# Altium PCB DATN.PcbDoc (continued)
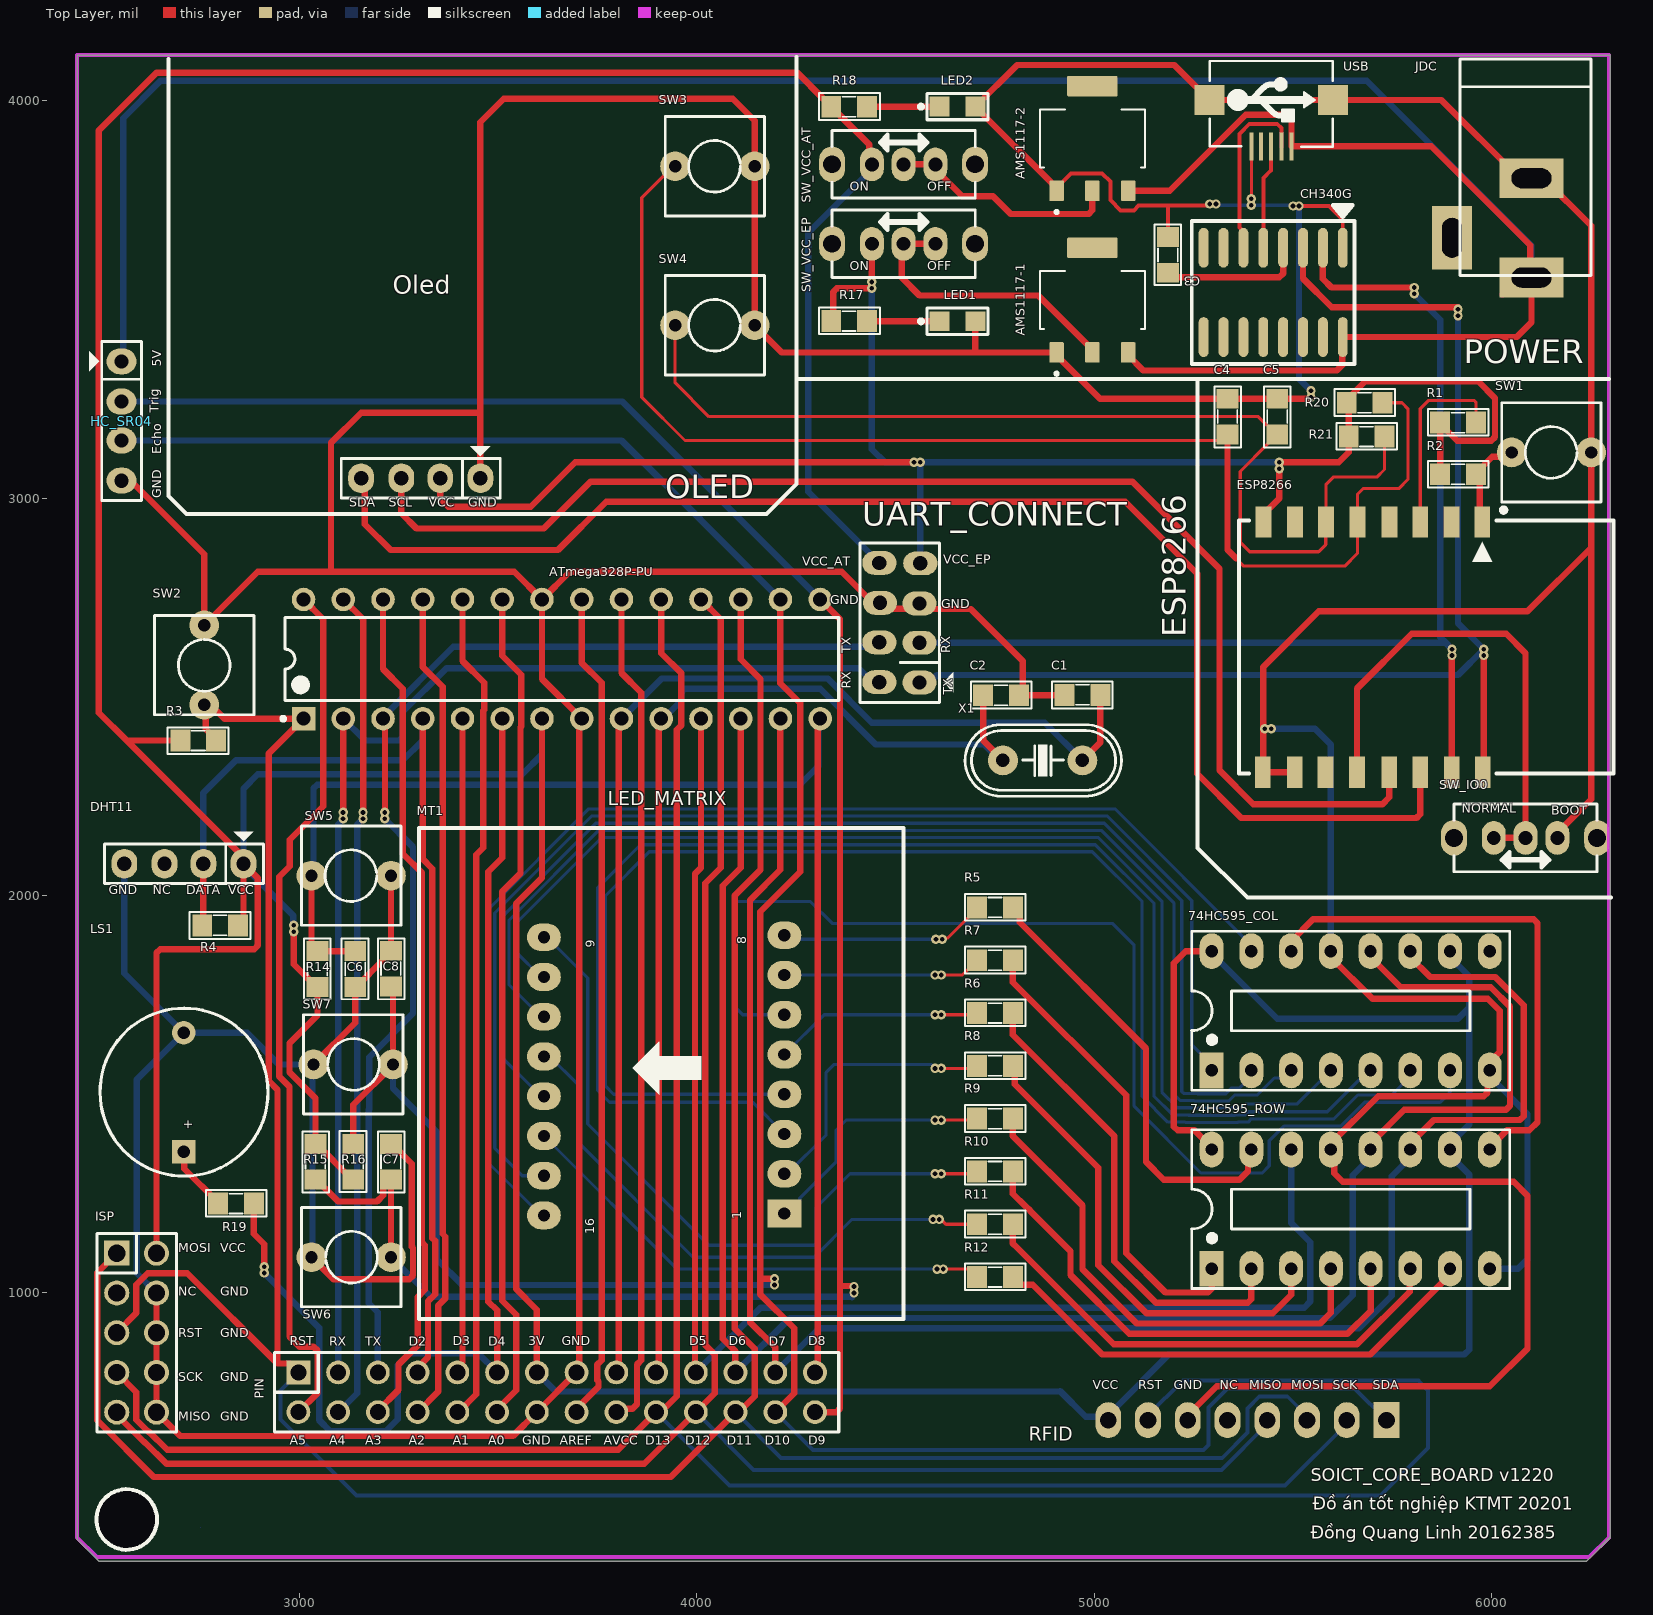
[diagram p0: Top Layer view]
## Part data
74HC595_COL 74HC595_ROW: library part 74595, "8 Bit Serial input - Parallel Output"
AMS1117-1 AMS1117-2: library part AMS1117, "UNO PLUS Arduino R3 Shield, Xbee Arduino IDE Wheeled Robotics Kit", Package="SOT-223 Seeed Technology", Availability=Unavailable, MF="Seeed Technology", MP=AMS1117, Price=None, SnapEDA_Link=https://www.snapeda.com/parts/AMS1117/Seeed%20Technology%20Co.%2C%20Ltd/view-part/184428/?ref=snap
ATmega328P-PU: library part ATmega328P-PU, "8-bit AVR Microcontroller, 32KB Flash, 1KB EEPROM, 2KB SRAM, 28-pin PDIP, Industrial Grade (-40°C to 85°C)", Supplier Part Number 1=ATMEGA328P-PU-ND, ComponentLink1Description="Manufacturer Link", ComponentLink1URL=http://www.atmel.com/products/avr/default.asp?, ComponentLink2Description="ATmega48A/48PA/88A/88PA/168A/168PA/328/328P Datasheet", ComponentLink2URL=http://www.atmel.com/dyn/resources/prod_documents/8271.pdf, ComponentLink3Description="ATmega48A/48PA/88A/88PA/168A/168PA/328/328P Summary", ComponentLink3URL=http://www.atmel.com/dyn/resources/prod_documents/8271S.pdf, ComponentLink4Description="Atmel.com Home", ComponentLink4URL=http://www.atmel.com, DatasheetVersion="revA, Jan-2010", PackageDescription="28-lead (0.300\"/7.62mm Wide) Plastic Dual Inline Package (PDIP)", PackageReference=28P3, PackageVersion="revB, Sep-2001", Published=1-Apr-2010, Publisher="Altium Limited", Supplier 1=Digi-Key, Supplier 2=Farnell, Supplier 3=Mouser, Supplier Part Number 2=1715487, Supplier Part Number 3=556-ATMEGA328P-PU
C1 C2 C3 C4 C5 C6 C7 C8: library part CM, "Cap SMD"
CH340G: "High and Low Side Driver", ComponentLink1Description="Manufacturer Link", ComponentLink1URL=http://www.irf.com/, ComponentLink2Description=Datasheet, ComponentLink2URL=http://www.irf.com/product-info/datasheets/data/ir2110.pdf, DatasheetVersion=PD60147J, LatestRevisionDate=04-Mar-2005, LatestRevisionNote="Stylized 3D Model Added.", Note="Pins 4, 8 and 14 are not connected", PackageDescription="DIP; 14 Leads; Row Spacing 7.62 mm; Pitch 2.54 mm", PackageReference=PDIP14, Published=8-Jun-2000, Publisher="Altium Limited"
DHT11 HC_SR04 Oled: "WR-PHD 2.54 mm Angled Socket Header", Manufacturer="W¨¹rth Elektronik eiSos GmbH", partNo=613004143121, ComponentLink1 Description=Manufacturer, ComponentLink1URL=http://www.we-online.com, ComponentLink2 Description=Datasheet, ComponentLink2URL=http://katalog.we-online.de/em/datasheet/6130xx143121.pdf, Created by="Karrer Zheng", Created Date="29 March 2013", NoPins=04
ISP: library part JP5x2, "WR-PHD 2.54 mm Dual Socket Header", Manufacturer="W¨¹rth Elektronik eiSos GmbH", partNo=61301021821, ComponentLink1 Description=Manufacturer, ComponentLink1URL=http://www.we-online.com, ComponentLink2 Description=Datasheet, ComponentLink2URL=http://katalog.we-online.de/em/datasheet/6130xx21821.pdf, Created by="Karrer Zheng", Created Date="29 March 2013", NoPins=10
JDC: library part DCIN, "Jac DC input"
LED1 LED2: library part LED0805, "LED SMD 0805"
LS1: "Loudspeaker", LatestRevisionDate=17-Jul-2002, LatestRevisionNote="Re-released for DXP Platform.", PackageReference=PIN2, Published=24-Mar-1999, Publisher="Altium Limited"
MT1: library part "LED 8x8S", "Matrix 8x8,  Single colour"
PIN: "WR-PHD 2.54 mm Dual Socket Header", Manufacturer="W¨¹rth Elektronik eiSos GmbH", partNo=61302821821, ComponentLink1 Description=Manufacturer, ComponentLink1URL=http://www.we-online.com, ComponentLink2 Description=Datasheet, ComponentLink2URL=http://katalog.we-online.de/em/datasheet/6130xx21821.pdf, Created by="Karrer Zheng", Created Date="29 March 2013", NoPins=28
R1 R2 R3 R4 R5 R6 R7 R8 R9 R10 R11 R12 R14 R15 R16 R17 R18 R19 R20 R21: library part RM, "Resistor SMD"
RFID: library part JP8
SW1 SW2 SW3 SW4 SW5 SW6 SW7: library part SW2, "Switch button 2 pin"
SW_IO0 SW_VCC_AT SW_VCC_EP: "Switch 102 on Broad"
UART_CONNECT: library part JP4x2
USB: Manufacturer=FCI, Manufacturer Part Number=10118193-0001LF, Supplier Part Number 1=609-4616-1-ND, .Checked PCB=RF, .Checked SCH=MM, .Creator=MM, Category="Connectors, Interconnects", ComponentLink1Description=http://portal.fciconnect.com/Comergent//fci/drawing/10118193.pdf, ComponentLink1URL=http://portal.fciconnect.com/Comergent//fci/drawing/10118193.pdf, Connector Type="USB - micro B", Features="Shielded, Solder Retention", Gender=Receptacle, Ingress Protection=-, Mounting Type="Surface Mount, Right Angle, Horizontal", Number of Contacts=5, Packaging="Cut Tape (CT)", Pricing 1="1=0.46, 10=0.433, 25=0.3712, 50=0.3156, 100=0.3032, 250=0.27224, 500=0.25988 (USD)", RoHS="RoHS Compliant", Specifications="USB 2.0", Stock 1=28642, Supplier 1=Digi-Key
X1: library part XT2, "Crystal For all Crystal 2pin."

## Via types
v1: diameter 23.62/20 (per signal layer), hole 11.81, Top Layer to Bottom Layer, tented both sides, 54 vias

## Nets (pads, with @x,y where several pads share a name; then routed paths per layer and width w, separated by ;. In a path a pad name is that pad's centre, name@x,y a point inside that pad or via, vN(x,y) a via of type N, cw(c..) or ccw(c..) an arc to the next point about the centre after c; other vN are vias at no path point)
A0: ATmega328P-PU.23 PIN.23 | length 2118.8
  Top Layer w16: PIN.23 3497,707 3545,755 3545,945 3510,980 3510,2010 3556.11,2056.11 3556.11,2423.89 3557.53,2425.31 3557.53,2555.57 3510,2603.1 ATmega328P-PU.23
A1: ATmega328P-PU.24 PIN.24 | length 2097.7
  Top Layer w16: PIN.24 3400,700 3445,745 3445,2102.84 3462.47,2120.31 3462.47,2464.69 3465,2467.21 3465,2535 3410,2590 ATmega328P-PU.24
A2: ATmega328P-PU.25 PIN.25 | length 2097.6
  Top Layer w16: PIN.25 3349.08,752.08 3349.08,968.26 3367,986.17 3367,1141.8 3360,1148.8 3360,2525 3310,2575 ATmega328P-PU.25
A3: ATmega328P-PU.26 PIN.26 | length 2137.4
  Top Layer w16: PIN.26 3197,703.84 3249.08,755.92 3249.08,819.85 3297.08,867.85 3297.08,989.8 3315,1007.71 3315,1120.26 3308,1127.26 3308,2056.99 3260,2104.99 3260,2520 3210,2570 ATmega328P-PU.26
A4: ATmega328P-PU.27 PIN.27 | length 2074.8
  Top Layer w16: ATmega328P-PU.27 3160,2695 v1@3160,2210
  Bottom Layer w16: PIN.27 3144.93,747.92 3144.93,1468.65 3145,1468.72 3145,2178.67 v1(3159.49,2193.17)
  other v1: 3159.49,2209.17
A5: ATmega328P-PU.28 PIN.28 | length 2192.3
  Top Layer w16: PIN.28 3045,748 3045,855 3035,865 3000,865 2974.5,890.5 2974.5,1518.49 2948.5,1544.49 2948.5,2046.99 2975,2073.49 2975,2140 3060,2225 3060,2695 ATmega328P-PU.28
AREF: ATmega328P-PU.21 PIN.21 | length 2094.3
  Top Layer w16: PIN.21 3697,708.84 3752.07,763.91 3752.07,777.16 3749.08,780.15 3749.08,819.85 3760,830.77 3760,2535 3710,2585 ATmega328P-PU.21
AT_MISO: ATmega328P-PU.18 ISP.5 PIN.18 RFID.4 | length 5236
  Top Layer w16: ISP.5 2540,693.23 2608.73,624.5 2610.5,624.5 2665,570 3867,570 PIN.18 4045,748 4045,845 4021,869 4021,2031 4060,2070 4060,2695 ATmega328P-PU.18
  Bottom Layer w10: PIN.18 4142,555 5320,555 5435,670 RFID.4
AT_MOSI: ATmega328P-PU.17 ISP.1 PIN.17 RFID.3 | length 5928.7
  Top Layer w16: ISP.1 2490.5,1050.5 2490.5,679.5 2633,537 3934,537 PIN.17 4105,700 4145,740 4145,860 4095,910 4095,2000 4160,2065 4160,2544.17 4110,2594.17 ATmega328P-PU.17
  Bottom Layer w10: PIN.17 4212,585 5321.72,585 5385,648.28 5385,709.68 5415.32,740 5485.33,740 5535,690.33 RFID.3
AT_RST: ATmega328P-PU.1 ISP.3 PIN.1 R3.2 RFID.7 SW2.1 | length 6760.9
  Top Layer w16: ISP.3 2589.5,949.5 2589.5,1020.63 2618.36,1049.5 2717.51,1049.5 2944.5,822.5 ; R3.2 2790,2392.5 2764,2418.5 2764,2476 SW2.1 2775.97,2480 2810.97,2445 ATmega328P-PU.1 2922.5,2357.5 2922.5,1533.72 2944.5,1511.72 2944.5,822.5 ; PIN.1@2996.28,800.72 2975.08,821.92 2974.5,822.5 2944.5,822.5
  Bottom Layer w10: PIN.1 2952.08,755.08 2952.08,681.39 3143.48,490 5720,490 5840,610 5840,755 5815,780 5222.5,780 5135,692.5 RFID.7
AT_RXD: ATmega328P-PU.2 PIN.2 UART_CONNECT.5 | length 3150.2
  Top Layer w16: PIN.2 PIN.2@3103.5,806.5 ; ATmega328P-PU.2@3103.5,2438.5 ATmega328P-PU.2 v1@3110,2210
  Bottom Layer w16: PIN.2 3097,2179.59 3109.49,2192.08 v1(3109.49,2193.17) ; ATmega328P-PU.2 3165,2390 3250.63,2390 3260,2399.37 3260,2462.21 3369.79,2572 4407,2572 4442,2537 UART_CONNECT.5
  other v1: 3109.49,2209.17
AT_SCK: ATmega328P-PU.19 ISP.4 PIN.19 RFID.2 | length 5505.7
  Top Layer w16: ISP.4 2589.5,750.5 2589.5,680.51 2619.5,650.5 2621.27,650.5 2666.77,605 3802,605 PIN.19 3908.87,700 3949.08,740.22 3949.08,2416.87 3960,2427.79 3960,2560 3910,2610 ATmega328P-PU.19
  Bottom Layer w10: PIN.19 4082,515 5480,515 RFID.2@5635,670
  Bottom Layer w16: RFID.2@5635,670 RFID.2
AT_TXD: ATmega328P-PU.3 PIN.3 UART_CONNECT.6 | length 3044.1
  Top Layer w16: PIN.3 PIN.3@3197,811.86 ; ATmega328P-PU.3 3215,2440 v1@3215,2210
  Bottom Layer w16: PIN.3 3197,951.17 3174.5,973.68 3174.5,1461.45 3175,1461.95 3175,1593.49 3285.5,1703.99 3285.5,2122.16 v1(3214.49,2193.17) ; ATmega328P-PU.3 3210,2448.98 3387.02,2626 UART_CONNECT.6@4450,2626
  other v1: 3214.49,2209.17
AVCC: ATmega328P-PU.20 PIN.20 | length 2110.7
  Top Layer w16: PIN.20 3805.39,708.39 3837.62,708.39 3849.08,719.85 3849.08,819.85 3860,830.77 3860,2510 3810,2560 ATmega328P-PU.20
CL1: 74HC595_COL.15 MT1.16 | length 3016.2
  Bottom Layer w8: MT1.16 3607.5,1195 3473,1329.5 3473,1963.46 3727.54,2218 5052,2218 5395,1875 74HC595_COL.15
CL2: 74HC595_COL.1 MT1.15 | length 3135.5
  Bottom Layer w8: MT1.15 3560.5,1295 3491,1364.5 3491,1956 3735,2200 5032.28,2200 5245,1987.28 5245,1625 5295,1575 74HC595_COL.1
CL3: 74HC595_COL.2 MT1.13 | length 3079.4
  Bottom Layer w8: MT1.13 3607.5,1495 3509,1593.5 3509,1945.68 3745.32,2182 5024.82,2182 5220,1986.82 5220,1506.69 5224.69,1502 5258.2,1502 5259.2,1501 5330.8,1501 5345.8,1516 5366,1516 5395,1545 74HC595_COL.2
CL4: 74HC595_COL.3 MT1.11 | length 2941.1
  Bottom Layer w8: MT1.11 3607.5,1695 3527,1775.5 3527,1938.23 3752.77,2164 5017.37,2164 5200,1981.37 5200,1500.7 5216.7,1484 5250.75,1484 5251.75,1483 5338.25,1483 5353.25,1498 5410.23,1498 5453,1540.77 5475.77,1540.77 74HC595_COL.3
CL5: 74HC595_COL.4 MT1.10 | length 2911.9
  Bottom Layer w8: MT1.10 3607.5,1795 3545,1857.5 3545,1930.77 3760.23,2146 5009.91,2146 5170,1985.91 5170,1505.24 5209.24,1466 5243.29,1466 5244.29,1465 5345.71,1465 5346.71,1466 5372.16,1466 5381.94,1475.78 5510.78,1475.78 5565.8,1530.8 5566.73,1530.8 5595,1559.07 74HC595_COL.4
CL6: 74HC595_COL.5 MT1.3 | length 3629.1
  Bottom Layer w8: MT1.3 4140,1480 3780,1480 3750,1510 3750,2020 3858,2128 5002.46,2128 5150,1980.46 5150,1495 5197,1448 5235.83,1448 5236.83,1447 5353.17,1447 5354.17,1448 5379.61,1448 5387.5,1455.89 5585.89,1455.89 5665.05,1535.05 5670.98,1535.05 5695,1559.07 74HC595_COL.5
CL7: 74HC595_COL.6 MT1.4 | length 3641
  Bottom Layer w8: MT1.4 3790,1500 3770,1520 3770,2000 3880,2110 4995,2110 5120,1985 5120,1495 5185,1430 5228.38,1430 5229.38,1429 5360.62,1429 5361.62,1430 5387.07,1430 5394.95,1437.89 5602.89,1437.89 5663,1498 5748,1498 5795,1545 74HC595_COL.6
CL8: 74HC595_COL.7 MT1.6 | length 2892
  Bottom Layer w8: MT1.6 4115,1700 4095,1720 4095,1980.31 4099.69,1985 4285,1985 4340,1930 4415,1930 5045,1930 5100,1875 5100,1470 5268.11,1301.89 5422.2,1301.89 5440,1319.69 5440,1383.11 5476.77,1419.89 5619.89,1419.89 5680,1480 5870,1480 5895,1505 74HC595_COL.7
D2: ATmega328P-PU.4 DHT11.2 PIN.4 R4.1 | length 2672
  Top Layer w16: R4.1 2758,1928 DHT11.2 ; PIN.4 3297,811.86 3323.08,837.94 3323.08,979.03 3341,996.94 3341,1131.03 3334,1138.03 3334,2067.76 3310,2091.76 ATmega328P-PU.4
  Bottom Layer w16: DHT11.2 2758,2258 2840,2340 3260,2340 3310,2390 ATmega328P-PU.4
D3: ATmega328P-PU.5 PIN.5 | length 1650.4
  Top Layer w16: PIN.5 3397,811.86 3410,824.86 ATmega328P-PU.5
D4: ATmega328P-PU.6 PIN.6 R19.1 | length 2905.3
  Top Layer w16: R19.1 2885,1148.83 2911.08,1122.75 v1(2911.08,1066.08) ; PIN.6 3497,956.23 3475,978.23 3475,2060 3510,2095 ATmega328P-PU.6
  Bottom Layer w16: v1(2911.08,1050.08) 3049.08,912.08 3049.08,680.15 3077.15,652.08 3216.85,652.08 3247,682.23 3247,817.77 3277.15,847.92 3449.08,847.92 PIN.6
D5: 74HC595_ROW.14 ATmega328P-PU.11 PIN.11 | length 3686.7
  Top Layer w16: PIN.11 3995,802 3995,2055 4010,2070 ATmega328P-PU.11
  Bottom Layer w16: PIN.11@4005.39,791.61 PIN.11 4160,963 5528,963 5543.37,978.37 5543.37,1127.78 5495,1176.15 74HC595_ROW.14
D6: 74HC595_COL.12 74HC595_ROW.12 ATmega328P-PU.12 PIN.12 | length 4770
  Top Layer w16: PIN.12 4096.08,800.93 4096.08,853.92 4065,885 4065,2025 4110,2070 ATmega328P-PU.12 ; 74HC595_ROW.12 5695,1375.89 5780.11,1461 6035.63,1461 6046,1471.37 6046,1720.77 5997.77,1769 5771,1769 5695,1845 74HC595_COL.12
  Bottom Layer w16: PIN.12 4234,937 5592.63,937 5650,994.37 5650,1295.93 5699.96,1345.89 74HC595_ROW.12@5699.96,1360.89
D7: 74HC595_COL.11 74HC595_ROW.11 ATmega328P-PU.13 PIN.13 | length 4681.2
  Top Layer w16: PIN.13 4197,863 4133.5,926.5 4133.5,1988.5 4210,2065 ATmega328P-PU.13 ; 74HC595_ROW.11 5795,1375.89 5854.11,1435 6070.63,1435 6080,1444.37 6080,1723.54 6008.54,1795 5845,1795 5795,1845 74HC595_COL.11
  Bottom Layer w16: PIN.13 4308,911 5666,911 5747.96,992.96 5747.96,1293.89 5799.96,1345.89 74HC595_ROW.11@5799.96,1360.89
D8: ATmega328P-PU.14 C6.1 PIN.14 R14.1 SW5.1 | length 3571.8
  Top Layer w16: SW5.1 3030,1875 R14.1 C6.1 ; PIN.14 4303.5,806.5 4303.5,2438.5 ATmega328P-PU.14
  Bottom Layer w16: SW5.1@3030,2056.5 3035,2061.5 3035,2269.63 3044.37,2279 4259,2279 4305,2325 4305,2440 ATmega328P-PU.14
D9: ATmega328P-PU.15 C7.1 HC_SR04.2 PIN.15 R15.1 SW6.1 | length 5773.3
  Top Layer w16: R15.1@3035,1280 R15.1 3042.5,1285 3097.5,1230 3195,1230 3210.5,1245.5 3210.5,1268 3225,1282.5 3230,1282.5 SW6.1 ; PIN.15 4350.63,700 4360,709.37 4360,1020 ; ATmega328P-PU.15 4360,2695 4360,1020 ; v1(4395,1016) 4393.54,1017.46 4362.54,1017.46 4360,1020
  Bottom Layer w16: HC_SR04.2 3812,3243 ATmega328P-PU.15 ; SW6.1 3330,990 4389,990 4390,989
  other v1: 4395,1000
EP_RST: ESP8266.1 R2.1 SW1.1 | length 223.4
  Top Layer w16: ESP8266.1@5970,2955 5970,3050 R2.1 5960,3062.5 6001.21,3103.71 6038.71,3103.71 SW1.1
EP_RXD: CH340G.2 ESP8266.15 UART_CONNECT.2 | length 2868.1
  Top Layer w16: CH340G.2 5575,3551.75 5596.75,3530 v1(5805,3530) ; ESP8266.15 v1@5899.53,2604.53
  Bottom Layer w16: UART_CONNECT.2 5882.92,2636 ; v1(5805,3514) 5870,3449 5870,2650 5883.46,2636.54 v1(5900,2620)
  other v1: 5900,2604
EP_TXD: CH340G.3 ESP8266.16 UART_CONNECT.1 | length 3113.2
  Top Layer w16: CH340G.3 5525,3552.6 5597.6,3480 v1@5915,3480 ; ESP8266.16 5980,2312.52 v1(5980,2604)
  Bottom Layer w16: UART_CONNECT.1 4584.91,2536 4603.91,2555 5915,2555 v1(5980,2620) 5915,2685 v1(5915,3459)
  other v1: 5915,3475
GND: 74HC595_COL.8 74HC595_COL.13 74HC595_ROW.8 74HC595_ROW.13 AMS1117-1.1 AMS1117-2.1 ATmega328P-PU.8 ATmega328P-PU.22 C1.1 C2.1 C3.1 C4.2 C5.2 C6.2 C7.2 C8.2 CH340G.1 DHT11.4 ESP8266.9 ESP8266.10 HC_SR04.4 ISP.6 ISP.7 ISP.8 ISP.9 JDC.2 LED1.2 LED2.2 LS1.2 Oled.1 PIN.8 PIN.22 RFID.6 SW1.2 SW2.2 SW3.2 SW4.2 SW5.2 SW6.2 SW7.2 SW_IO0.3 UART_CONNECT.3 UART_CONNECT.7 USB.5 | length 24909.6
  Top Layer w8: v1@5395,3740 USB.5@5395,3885
  Top Layer w10: AMS1117-2.1@4904.84,3780.79 4941.15,3817.09 5019.15,3817.09 5040.08,3796.17 5040.08,3749.92 5066,3724 5099.55,3724 5111.55,3736 5185,3736 ; C3.1@5185,3670 5185,3736 ; v1@5290,3736 5185,3736 ; v1(5515,3735) 5590,3735 5625,3700 CH340G.1 ; JDC.2 JDC.2@6130,3805
  Top Layer w16: HC_SR04.4@2570,3044 2575,3044 2760,2859 SW2.2 2895,2815 3079,2815 ; ISP.9 ISP.8 ISP.7 ISP.6 2700,640 3537,640 PIN.22 PIN.8 3703.5,806.5 3703.5,2438.5 ATmega328P-PU.8 3610,2545 ATmega328P-PU.22 ; SW6.2 3085.5,1034.5 3276.13,1034.5 3285.5,1043.87 3285.5,1112.99 3282,1116.49 3282,1325.5 3232.5,1375 C7.2 ; SW7.2 3140,1680 C6.2 3142.5,1770 3210.5,1838 3210.5,1844 3227.5,1861 C8.2 ; SW5.2 C8.2 ; C8.2@3232.5,1861 C8.2 ; Oled.1 3455,3215 ; LED1.2 4700.56,3368.18 4699,3366.61 ; AMS1117-2.1 4904.84,3780.79 4894.54,3791.09 4894.47,3791.09 LED2.2 4805.56,4090 5201.33,4090 5289.49,4001.84 5600.51,4001.84 5873.16,4001.84 6070,3805 JDC.2 ; C1.1 4924,2504 C2.1 4820,2514 4820,2590 4689,2721 4570,2721 4569.5,2721.5 4470.5,2721.5 4470,2722 4457,2722 4364,2815 3680,2815 ATmega328P-PU.22 ; RFID.6 5235,692.5 5307.5,765 5995,765 6090,860 6090,1245 6055,1280 5625,1280 5603.42,1301.58 5603.42,1352.47 74HC595_ROW.13 5595,1375.89 5714.11,1495 5980.02,1495 5989.39,1504.37 5989.39,1554.39 74HC595_COL.8 5995,1581.37 6020,1606.37 6020,1710 5990,1740 5700,1740 5595,1845 74HC595_COL.13 ; ESP8266.10 ESP8266.9 5425,2311.06 5425,2420 5425,2575 5565,2715 6090,2715 6250,2875 ; v1@5545,3250 C5.2 C4.2 5013.98,3250 4904.84,3359.13 AMS1117-1.1 4699,3366.61 ; JDC.2@6130,3805 6250,3685 SW1.2 6250,2875 ; SW_IO0.3 6165,2157.5 6250,2242.5 6250,2875 ; 3079,2815 3540,2815 ATmega328P-PU.22 ; 3079,2815 3079,3139 3155,3215 3455,3215 ; 3455,3215 3455,3946 3514,4005 4090,4005 4145,3950 SW3.2 SW4.2 4213.39,3366.61 4699,3366.61
  Bottom Layer w10: v1(5306,3740) 5308.71,3740 5311.71,3737 5495.29,3737 5497.29,3735 v1(5500,3735)
  Bottom Layer w16: DHT11.4 2559,1804.5 LS1.2 ; ISP.9 2590.5,1049.5 2590.5,1537 LS1.2 ; SW6.2 3032.5,1092.5 3032.5,1572.5 SW7.2 2947.95,1575 2867.95,1655 LS1.2 ; v1(5445,2420) 5555,2420 5595,2380 74HC595_COL.13 ; v1(5515,3735) 5515,3300 v1(5545,3270) ; 74HC595_ROW.8 6065.89,1060.89 6090,1085 6090,1450 5995,1545 74HC595_COL.8
  other v1: 5429,2420 5545,3254 5395,3737 5290,3740 5395,3753
IO12: C5.1 ESP8266.6 R21.1 SW4.1 | length 2620.4
  Top Layer w8: SW4.1 3945,3290 4030,3205 5412.5,3205 5457.5,3160 C5.1 ; C5.1@5436.5,3136.5 5367,3067 5367,2889 5391,2865 5564.28,2865 5582.21,2882.93 5582.21,2939.14 ESP8266.6 5582.99,3034.99 5601,3053 5711,3053 5730,3072 R21.1
IO14: C4.1 ESP8266.5 R20.1 SW3.1 | length 3330.3
  Top Layer w8: SW3.1 ccw(c3945,3822.93) 3936.46,3831.46 3861,3756 3861,3254 3970,3145 5320,3145 C4.1 ; 5357,2848 5376,2829 5630,2829 5662.13,2861.13 ESP8266.5 5662.13,3010.13 5676,3024 5766,3024 5789,3047 5789,3225 5774,3240 R20.1
  Top Layer w16: C4.1 5335,2870 5357,2848
NC: ISP.2
Net74HC595_ROW_1: 74HC595_ROW.1 R7.1 | length 1165.6
  Top Layer w16: R7.1 4795,1782.24 5080,1497.24 5080,1100 5179,1001 5285.63,1001 5295,1010.37 74HC595_ROW.1
Net74HC595_ROW_2: 74HC595_ROW.2 R6.1 | length 1198.8
  Top Layer w16: R6.1 4795,1650 5050,1395 5050,1080 5150,980 5155,975 5385.63,975 5395,984.37 74HC595_ROW.2
Net74HC595_ROW_3: 74HC595_ROW.3 R8.1 | length 1210.5
  Top Layer w16: R8.1 4800,1566.43 4800,1525 5010,1315 5010,1070 5131,949 5449,949 5495,995 74HC595_ROW.3
Net74HC595_ROW_4: 74HC595_ROW.4 R9.1 | length 1254.9
  Top Layer w16: R9.1 4795,1395 4970,1220 4970,1060 5107,923 5568,923 5595,950 74HC595_ROW.4
Net74HC595_ROW_5: 74HC595_ROW.5 R10.1 | length 1267.5
  Top Layer w16: R10.1 4795,1250 4826.64,1218.36 4827.46,1218.36 4838,1207.81 4838,1207 4940,1105 4940,1045 5088,897 5637,897 5695,955 74HC595_ROW.5
Net74HC595_ROW_6: 74HC595_ROW.6 R11.1 | length 1264.8
  Top Layer w16: R11.1 4795,1124.37 4804.37,1115 4805,1115 5049,871 5661,871 5793.26,1003.26 5793.26,1059.14 74HC595_ROW.6
Net74HC595_ROW_7: 74HC595_ROW.7 R12.1 | length 1280.4
  Top Layer w16: R12.1 4795,1037.5 4812,1020.5 4844.5,1020.5 5020,845 5694.11,845 5895,1045.89 74HC595_ROW.7
Net74HC595_ROW_15: 74HC595_ROW.15 R5.1 | length 1123.8
  Top Layer w16: R5.1 4812,1953 4812,1933 5130,1615 5130,1330 5175,1285 5365,1285 5386.58,1306.58 5386.58,1352.47 74HC595_ROW.15 74HC595_ROW.15@5395,1363.98
NetAMS1117-1_2: AMS1117-1.2 SW_VCC_EP.1 SW_VCC_EP.2 | length 727.4
  Top Layer w16: SW_VCC_EP.2@4515,3640 4515,3555 4560,3510 4859.09,3510 4995,3374.09 AMS1117-1.2 ; SW_VCC_EP.2 SW_VCC_EP.1
NetAMS1117-2_2: AMS1117-2.2 SW_VCC_AT.1 SW_VCC_AT.2 | length 586.9
  Top Layer w16: SW_VCC_AT.2 SW_VCC_AT.1 4600,3827.5 4667.5,3760 4745,3760 4790,3715 4985.63,3715 4995,3724.37 AMS1117-2.2
NetC3_2: C3.2 CH340G.4 | length 363.1
  Top Layer w16: C3.2 5196,3556 5465.63,3556 5475,3565.37 CH340G.4
NetCH340G_5: CH340G.5 USB.3 | length 270.9
  Top Layer w10: CH340G.5@5425,3622.36 5425,3805 5445,3825 USB.3
NetCH340G_6: CH340G.6 USB.2 | length 457.4
  Top Layer w10: CH340G.6 5375,3670.86 5365,3680.86 5365,3916.21 5390.79,3942 5460,3942 5470.59,3931.41 USB.2
NetESP8266_3: ESP8266.3 R1.1 | length 487
  Top Layer w8: ESP8266.3 5820,3225 5841,3246 5955.31,3246 5960,3241.31 R1.1
NetESP8266_12: ESP8266.12 SW_IO0.1 SW_IO0.2 | length 1318.8
  Top Layer w8: ESP8266.12 5660.94,2290.32 ESP8266.12@5676.63,2274.63 ; SW_IO0.1 SW_IO0.1@6005,2165
  Top Layer w16: ESP8266.12 5660.94,2520.94 5798.37,2658.37 6036.63,2658.37 6085,2610 SW_IO0.2 SW_IO0.1
NetLED1_1: LED1.1 R17.1 | length 182.7
  Top Layer w16: R17.1 4610.13,3445.44 LED1.1
NetLED2_1: LED2.1 R18.1 | length 182.6
  Top Layer w16: R18.1 LED2.1
NetLS1_1: LS1.1 R19.2 | length 165.6
  Top Layer w16: LS1.1 2710,1354 2710,1312.5 2795,1227.5 R19.2
Q9: 74HC595_COL.14 74HC595_ROW.9 | length 1338.9
  Top Layer w16: 74HC595_COL.14 5495,1885 5550,1940 6105.63,1940 6115,1930.63 6115,1429.69 6094.31,1409 6038.25,1409 5995,1365.75 74HC595_ROW.9
  Bottom Layer w16: 74HC595_ROW.9@5999.96,1360.89 74HC595_ROW.9@5999.96,1375.89
RFID_SDA: ATmega328P-PU.16 C8.1 HC_SR04.3 PIN.16 R16.1 RFID.1 SW7.1 | length 7604.6
  Top Layer w16: R16.1 3135,1473.25 3235,1573.25 SW7.1 3235,1766 C8.1 C8.1@3227.5,1771 ; v1(4195,1036) 4159.5,1036 ; PIN.16 4244.93,747.92 4244.93,910.82 4159.5,996.25 4159.5,1036 ; ATmega328P-PU.16 4210,2534.17 4260,2484.17 4260,2060 4159.5,1959.5 4159.5,1036
  Bottom Layer w10: PIN.16 4292,605 5275,605 5287.5,617.5 5287.5,712.18 5335.32,760 5655,760 RFID.1
  Bottom Layer w16: HC_SR04.3 3810,3145 ATmega328P-PU.16 ; SW7.1@3235,1573.25 3235,1515 3345,1405 3345,1085 3410,1020 v1(4195,1020)
RO1: MT1.9 R10.2 | length 1740.3
  Top Layer w8: v1(4615,1300) 4699.29,1300 R10.2
  Bottom Layer w8: MT1.9 3622.5,1895 3725,1792.5 3725,1425 4015,1135 4015,1134.69 4029.69,1120 4295.31,1120 4300,1124.69 4300,1215 4385,1300 v1(4599,1300)
RO2: MT1.14 R12.2 | length 1223.3
  Top Layer w8: v1(4620,1060) 4685,1060 R12.2
  Bottom Layer w8: MT1.14 3950,1060 v1@4606.23,1060
  other v1: 4604,1060
RO3: MT1.8 R5.2 | length 507.7
  Top Layer w8: v1(4617.27,1890) 4620.26,1892.99 4630.49,1892.99 4705,1967.5 R5.2
  Bottom Layer w8: MT1.8 4230,1890 v1(4601.27,1890)
RO4: MT1.12 R11.2 | length 1412.5
  Top Layer w8: v1(4610,1185) 4614.23,1185 4626.37,1172.86 R11.2
  Bottom Layer w8: MT1.12 3630,1595 3700,1525 3700,1380 3990,1090 3993.31,1090 4295,1090 4390,1185 v1(4594,1185)
RO5: MT1.1 R9.2 | length 615.1
  Top Layer w8: v1(4615,1435) 4701.43,1435 R9.2
  Bottom Layer w8: MT1.1 4227.5,1200 4258.5,1231 4258.5,1238.5 4350,1330 4350,1410 4375,1435 v1@4595,1435
  other v1: 4599,1435
RO6: MT1.7 R7.2 | length 480.9
  Top Layer w8: v1(4615,1800) 4667.86,1800 4681.5,1813.64 4684,1813.64 4705,1834.64 R7.2
  Bottom Layer w8: MT1.7 v1@4594.04,1800
  other v1: 4599,1800
RO7: MT1.2 R8.2 | length 682
  Top Layer w8: v1(4615,1565) 4698.57,1565 R8.2
  Bottom Layer w8: MT1.2 4227.5,1300 4325,1397.5 4325,1555 4345,1575 4589,1575 4591.34,1572.66 v1(4599,1565)
RO8: MT1.5 R6.2 | length 508.2
  Top Layer w8: v1(4615,1700) 4700.71,1700 R6.2
  Bottom Layer w8: MT1.5 4320,1700 v1@4595,1700
  other v1: 4599,1700
SCL: ESP8266.13 Oled.3 | length 3341.5
  Top Layer w16: Oled.3 3256,2962 3294.33,2923.67 3614.67,2923.67 3732,3041 5096,3041 5315,2822 5315,2315 5400,2230 5725,2230 5742.05,2247.05 ESP8266.13
SDA: ESP8266.14 Oled.4 | length 3586.8
  Top Layer w16: Oled.4 3164.38,3040.62 3164.38,2934.62 3229.67,2869.33 3650.33,2869.33 3772,2991 5078,2991 5259,2810 5259,2306 5370,2195 5810.63,2195 5820,2204.37 ESP8266.14
VCC: 74HC595_COL.16 74HC595_ROW.16 | length 854
  Top Layer w16: 74HC595_ROW.16 5295,1365.86 5251.81,1409.06 5209.37,1409.06 5200,1418.43 5200,1830 5230,1860 74HC595_COL.16
  Bottom Layer w16: 74HC595_COL.16 5295,1855 5442.28,1707.72
VCC_5V: AMS1117-1.3 AMS1117-2.3 CH340G.16 HC_SR04.1 JDC.1 USB.1 | length 7130.4
  Top Layer w16: AMS1117-1.3 5085.16,3359.13 5123.29,3321 5610,3321 5623.28,3334.28 5623.28,3403.55 CH340G.16 6062.59,3405.28 6100,3442.69 JDC.1 ; AMS1117-2.3 5189.57,3773.31 5381.26,3965 5486.81,3965 5496.18,3955.63 USB.1 5848,3885 6097.05,3635.95 6097.05,3557.95 JDC.1 ; JDC.1@6028,3513 6070,3555 JDC.1
  Bottom Layer w16: HC_SR04.1 2556,3348 2556,3956 2650,4050 5685,4050 6100,3635 JDC.1
VCC_AT: 74HC595_COL.10 74HC595_ROW.10 ATmega328P-PU.7 DHT11.1 ISP.10 PIN.7 R3.1 R4.2 R14.2 R15.2 R16.2 R18.2 RFID.8 SW_VCC_AT.3 UART_CONNECT.8 | length 14540.5
  Top Layer w16: ISP.10 2640,1855.63 2649.37,1865 2885.63,1865 2895,1874.37 2895,2044 DHT11.1 2859,1939 R4.2 ; R3.1 2565,2390 ; DHT11.1@2859,2096 2565,2390 ; v1@2985,1899.89 2985,1827.5 3042.5,1770 R14.2 3045,1699.13 2974.5,1628.63 2974.5,1555.26 3040,1489.76 R15.2 3042.5,1375 3132.5,1285 R16.2 ; 2995,4070 2640,4070 2495,3925 2495,2460 2565,2390 ; 3000,4070 4253,4070 4318.5,4004.5 4321,4004.5 4338,3987.5 R18.2 4338,3982.5 4355,3965.5 4357.5,3965.5 4433.07,3889.93 4433.07,3846.93 SW_VCC_AT.3 ; PIN.7 3597,958 3545,1010 3545,1980 3610,2045 ATmega328P-PU.7
  Bottom Layer w16: v1(2985,1925) 2984.23,1925.77 2984.23,1949.77 2859,2075 DHT11.1 2859,2269 2895,2305 3560,2305 3610,2355 ATmega328P-PU.7 ; PIN.7 3644.93,752.08 4912.08,752.08 4913.37,753.37 4978.5,688.25 5015.09,688.25 cw(c5015.09,660.09) RFID.8 cw(c5065.18,680) 5043.84,701.34 5187.5,845 5930.63,845 5943,857.37 5943,1297.89 5895,1345.89 74HC595_ROW.10 5895,1375.89 5943,1423.89 5943,1783 5943.37,1783.37 5943.37,1796.63 5895,1845 74HC595_COL.10 ; SW_VCC_AT.3 4440,3827.5 4280,3667.5 4280,3016 UART_CONNECT.8 ; 5442.28,1707.72 5460,1690 5915,1690 5940,1715
  other v1: 2985,1909
VCC_EP: ESP8266.8 Oled.2 R1.2 R2.2 R17.2 R20.2 R21.2 SW_VCC_EP.3 UART_CONNECT.4 | length 4584.9
  Top Layer w16: Oled.2 3354.13,3049.87 3354.13,2997.87 3374,2978 3582,2978 3694,3090 v1(4546,3090) v1(4562,3090) ; R17.2 4342.56,3450 4342.56,3518.63 4351.94,3528 v1(4440,3528) v1(4440,3544) SW_VCC_EP.3 ; ESP8266.8 5425.51,2959.61 5465,2999.09 v1(5465,3074) v1(5465,3090) 5615,3090 5640,3115 R21.2 5640,3240 5635,3245 5635,3247.5 5681.5,3294 5966,3294 6008.26,3251.74 6008.26,3153.87 5998.88,3144.5 5913,3144.5 R1.2@5870,3187.5 ; R2.2 R1.2@5870,3187.5 ; R1.2 R1.2@5870,3187.5
  Bottom Layer w16: v1(4440,3528) 4440,3123 4473,3090 v1(4562,3090) ; UART_CONNECT.4 v1(4562,3090) ; v1(5465,3090) v1(4562,3090)
XTAL1: ATmega328P-PU.9 C1.2 PIN.9 X1.1 | length 3121.2
  Top Layer w16: PIN.9 3803.5,806.5 3803.5,2438.5 ATmega328P-PU.9 ; X1.1 5015,2385 C1.2
  Bottom Layer w16: ATmega328P-PU.9 3911,2546 4329,2546 4440,2435 4875,2435 X1.1
XTAL2: ATmega328P-PU.10 C2.2 PIN.10 X1.2 | length 2812.8
  Top Layer w16: PIN.10 3903.5,806.5 3903.5,2438.5 ATmega328P-PU.10 ; C2.2 4720,2390 X1.2
  Bottom Layer w16: ATmega328P-PU.10 3915,2445 3960,2490 3960,2510.63 3969.37,2520 4310,2520 4450,2380 4723.03,2380 4763.03,2340 X1.2
pads on no net: 74HC595_COL.9 AMS1117-1.4 AMS1117-2.4 CH340G.7 CH340G.8 CH340G.9 CH340G.10 CH340G.11 CH340G.12 CH340G.13 CH340G.14 CH340G.15 DHT11.3 ESP8266.2 ESP8266.4 ESP8266.7 ESP8266.11 JDC.3 RFID.5 SW_IO0.4 SW_IO0.5 SW_VCC_AT.4 SW_VCC_AT.5 SW_VCC_EP.4 SW_VCC_EP.5 USB.4

## Polygon pours and split planes (outlines as drawn)
no net on Top Layer "NONET_L01_P000" (solid, pour order 0): 3945,3435

## Keep-outs
Keep-Out Layer:
  lines w10: 2440,385 2490,335 6245,335 6295,385 6295,4115 2440,4115 2440,385

## Other copper
Bottom Layer:
  region net VCC_EP: 4440,3528

## Silkscreen, mask and mechanical layers (free items; w line width, h text height)
Top Overlay:
  circle w10: c2565,430 r76.32
  lines w10: 2670,4105 2670,3005 2715,2960 4175,2960 4250,3035 4250,3300 ; 4250,4110 4250,3300 ; 5260,3300 5260,2120 5385,1995 6300,1995 ; 6295,3300 4250,3300
  text "ON" at 4385,3765.44 h39.37
  text "OFF" at 4580,3765.44 h39.37
  text "ON" at 4385,3565.44 h39.37
  text "OFF" at 4580,3565.44 h39.37
  text "POWER" at 5930,3340 h60
  text "5V" at 2659.56,3330 h39.37 r90
  text "Trig" at 2652.61,3215 h39.37 r90
  text "Echo" at 2659.6,3110 h39.37 r90
  text "GND" at 2659.56,3000 h39.37 r90
  text "OLED" at 3920,3000 h60
  text "SDA" at 3125,2970.44 h39.37
  text "SCL" at 3225,2970.44 h39.37
  text "VCC" at 3325.04,2970.44 h39.37
  text "GND" at 3425,2970.44 h39.37
  text "VCC_EP" at 4620.04,2826.99 h39.37
  text "VCC_AT" at 4265.04,2821.99 h39.37
  text "GND" at 4335,2725.44 h39.37
  text "GND" at 4615,2715.44 h39.37
  text "ESP8266" at 5230,2650 h60 r90
  text "TX" at 4395,2610 h39.37 r90
  text "RX" at 4645,2610 h39.37 r90
  text "RX" at 4395,2520 h39.37 r90
  text "TX" at 4650,2505 h39.37 r90
  text "LED_MATRIX" at 3775,2215.48 h59.06
  text "NORMAL" at 5925,2200.44 h39.37
  text "BOOT" at 6150,2195.44 h39.37
  text "DATA" at 2715,1995.87 h39.37
  text "GND" at 2520,1995.44 h39.37
  text "NC" at 2630,1995.44 h39.37
  text "VCC" at 2820.04,1995.44 h39.37
  text "MOSI" at 2695,1095.44 h39.37
  text "VCC" at 2800.04,1095.44 h39.37
  text "NC" at 2695,985.44 h39.37
  text "GND" at 2800,985.44 h39.37
  text "RST" at 2695,880.44 h39.37
  text "GND" at 2800,880.44 h39.37
  text "RST" at 2975,860.44 h39.37
  text "RX" at 3075,860 h39.37
  text "TX" at 3165,860 h39.37
  text "D2" at 3275,860 h39.37
  text "D3" at 3385,860.44 h39.37
  text "D4" at 3475,860 h39.37
  text "3V" at 3575,860.44 h39.37
  text "GND" at 3660,860.44 h39.37
  text "D5" at 3980,860.44 h39.37
  text "D6" at 4080,860.44 h39.37
  text "D7" at 4180,860 h39.37
  text "D8" at 4280,860.44 h39.37
  text "SCK" at 2695,770.44 h39.37
  text "GND" at 2800,770.44 h39.37
  text "VCC" at 4996.08,750.44 h39.37
  text "RST" at 5110,750.44 h39.37
  text "GND" at 5200,750.44 h39.37
  text "NC" at 5315,750.44 h39.37
  text "MISO" at 5390,750.44 h39.37
  text "MOSI" at 5495,750.44 h39.37
  text "SCK" at 5600,750.44 h39.37
  text "SDA" at 5700,750.44 h39.37
  text "MISO" at 2695,670.44 h39.37
  text "GND" at 2800,670.44 h39.37
  text "RFID" at 4835,615 h60
  text "A5" at 2975,610.44 h39.37
  text "A4" at 3075,610 h39.37
  text "A3" at 3165,610.44 h39.37
  text "A2" at 3275,610 h39.37
  text "A1" at 3385,610 h39.37
  text "A0" at 3475,610.44 h39.37
  text "GND" at 3560,610.44 h39.37
  text "AREF" at 3655,610 h39.37
  text "AVCC" at 3765,610.44 h39.37
  text "D13" at 3870,610.44 h39.37
  text "D12" at 3970,610 h39.37
  text "D11" at 4075,610 h39.37
  text "D10" at 4170,610.44 h39.37
  text "D9" at 4280,610.44 h39.37
  text "SOICT_CORE_BOARD v1220" at 5545,514.79 h55.12
  text "Đồ án tốt nghiệp KTMT 20201" at 5550,442.85 h55.12
  text "Đồng Quang Linh 20162385" at 5545,370.35 h55.12
Mechanical 1:
  lines w10: 2440,570 2440,4113.31 ; 2440,575 2440,465 2440,380 2495,325 6238.27,325 6298.27,385 6298.27,4115 2440,4115

## Text inside footprints (layer, text, board x,y; h text height)
ESP8266: Mechanical 13 "CUTOUT POLYGON" at 6266.3,2934.92 h10 r270; Mechanical 13 "ANTENNA AREA" at 6286.3,2934.92 h10 r270
LS1: Top Overlay "+" at 2737,1410.5 h39.37 r90
MT1: Top Overlay "16" at 3749,1148 h39.37 r90; Top Overlay "9" at 3750,1869 h39.37 r90; Top Overlay "8" at 4131,1878 h39.37 r90; Top Overlay "1" at 4119,1185 h39.37 r90